# Altium PCB OctopusPB_r0102.PcbDoc (part 3 of 10)
Units mm, origin at the board's own origin, x right, y up, seen from the top; angles counter-clockwise.
Board outline 318 x 80 mm, 4 copper layers (Top Layer, Layer 1, Layer 2, Bottom Layer), stack 1.62 mm thick; 806 components, 346 nets, 2957 pads, 6733 vias.
Unrouted connection lines stored in the file: 1143.
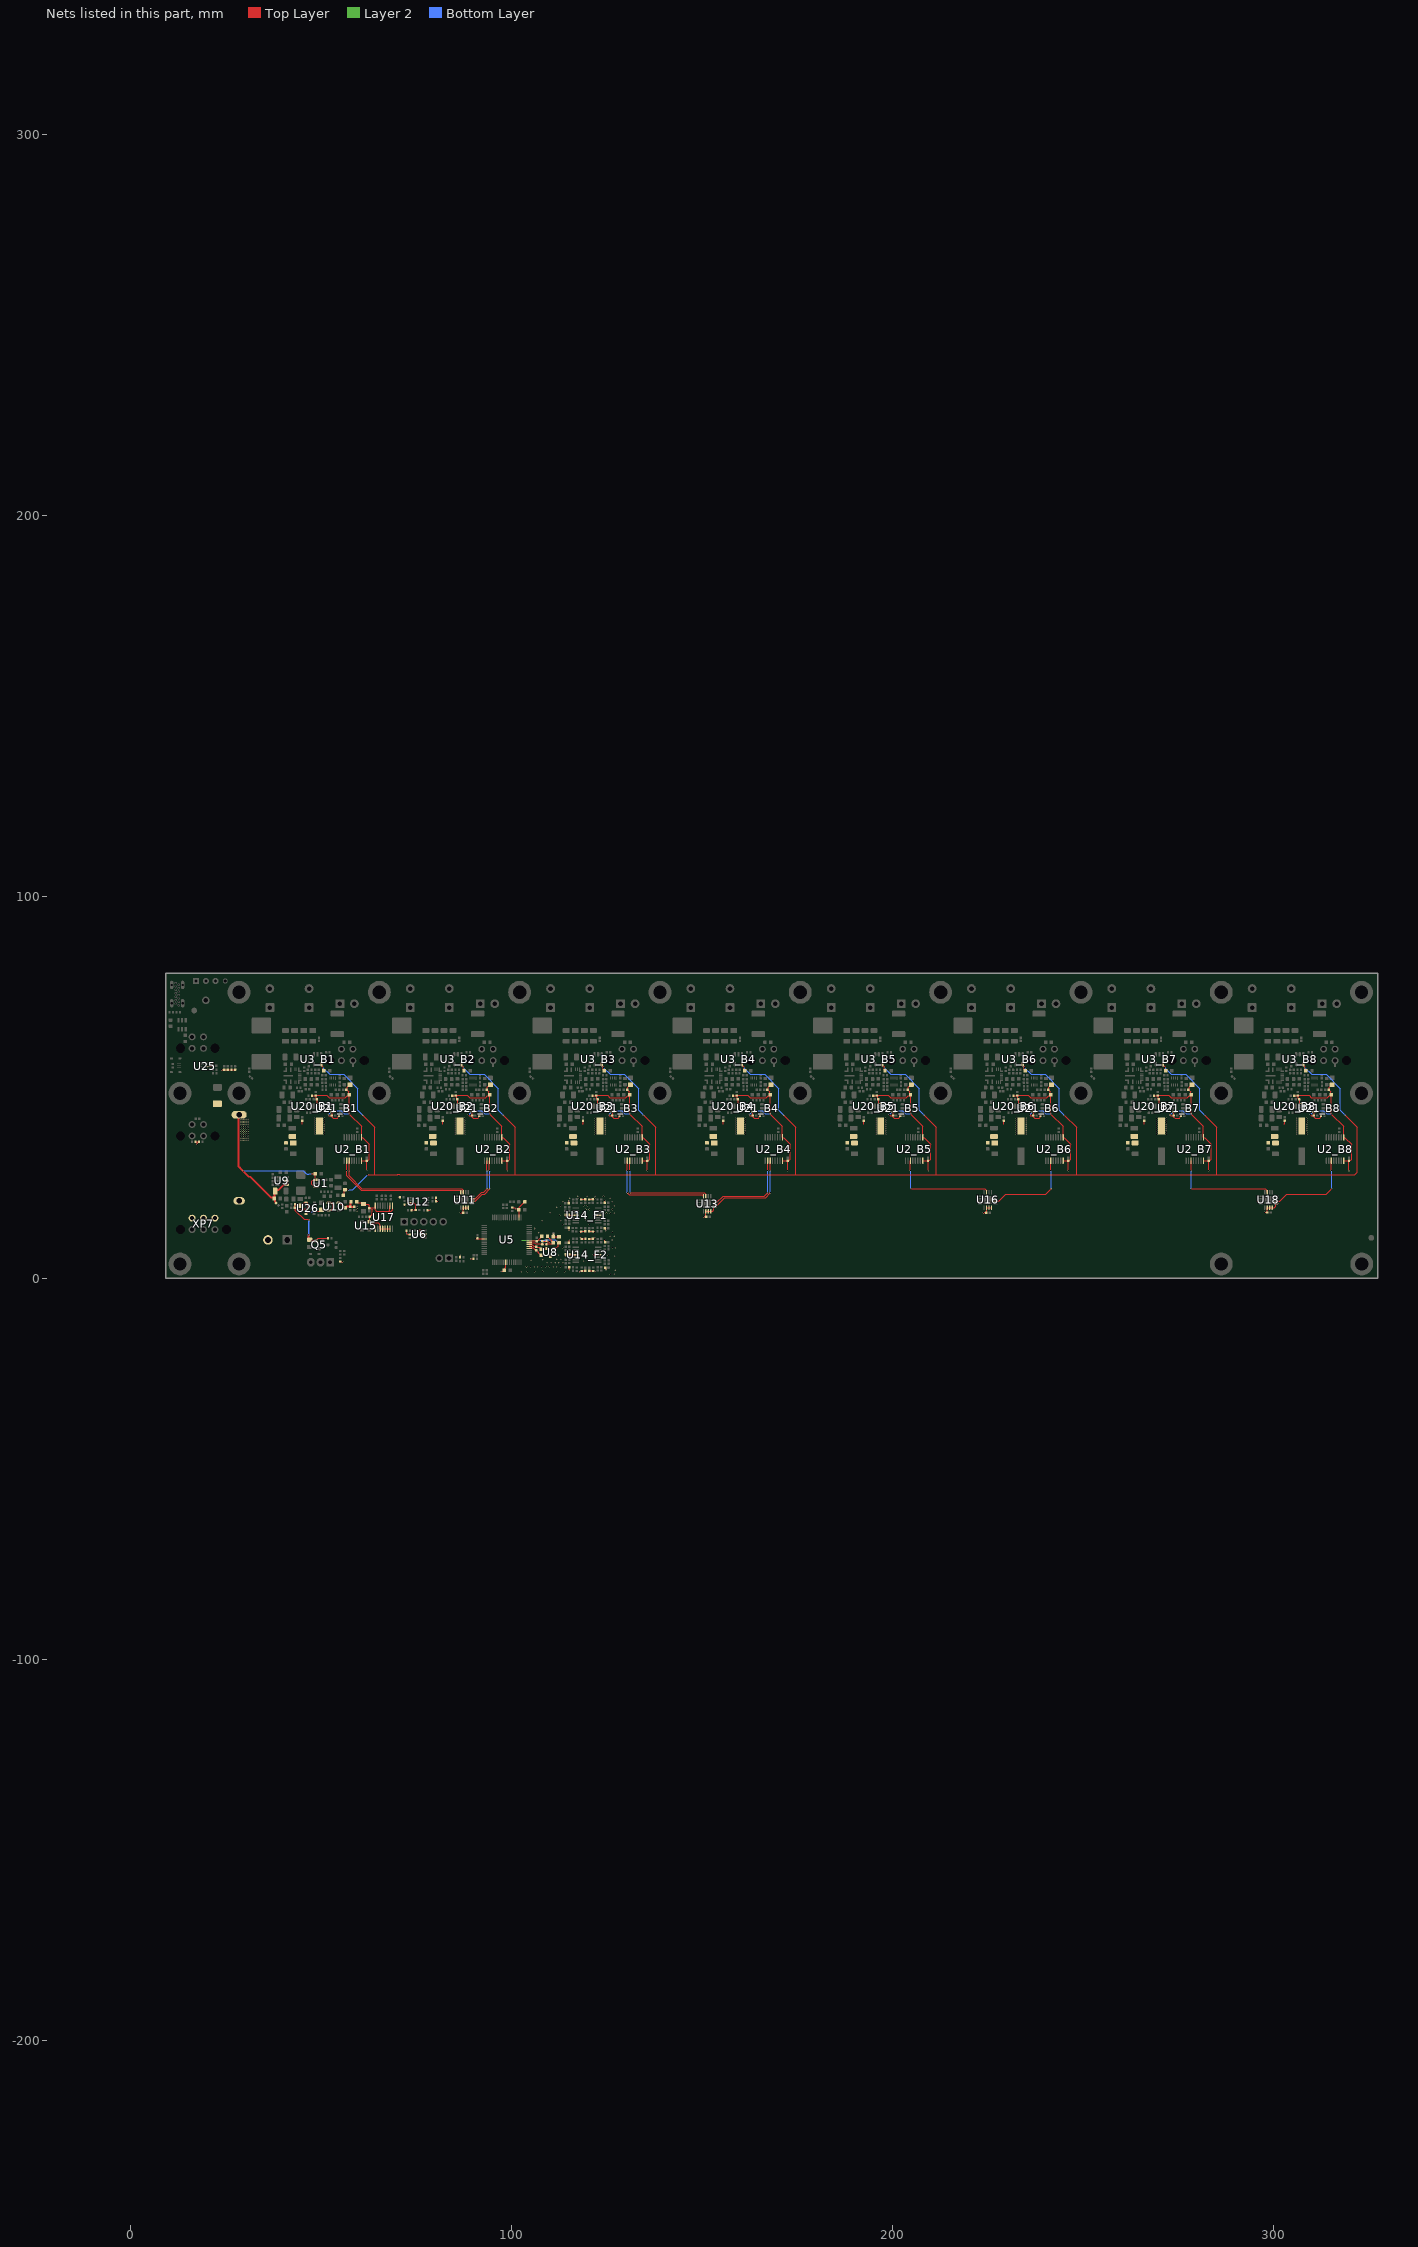
[diagram p5: the nets of this part, all layers, seen from the top]

## Part data (continued)
U19_B1 U19_B2 U19_B3 U19_B4 U19_B5 U19_B6 U19_B7 U19_B8: "Buck Switching Regulator IC Positive Adjustable 1V 1 Output 6A 14-VFQFN", Case=VQFN-HR-14, Manufacturer=TI, Manufacturer PN=LM61460AASQRJRRQ1, PartNumber=LM61460-Q1, Publisher=alexey.savchenko, Publishing Date=3/27/2020
U20_B1 U20_B2 U20_B3 U20_B4 U20_B5 U20_B6 U20_B7 U20_B8: "Temperature Sensor Digital, Local -20°C ~ 125°C 10 b 8-WDFN (2x3)", Case=WDFN-8, Manufacturer=Microchip, Manufacturer PN=AT30TSE002B-MAH-T, PartNumber=AT30TSE002B-MAH-T, Publisher=alexey.savchenko, Publishing Date=3/31/2020
U21_B1 U21_B2 U21_B3 U21_B4 U21_B5 U21_B6 U21_B7 U21_B8: "IC COMPARATOR 2.4V REF SOT-23-6", Case=SOT23-6, Manufacturer=Microchip, Manufacturer PN=MCP65R41T-2402E/CHY, PartNumber=MCP65R41T-2402E/CHY, Publisher=alexey.savchenko, Publishing Date=12/9/2020
U22 U26: "Power Switch/Driver 2:1 P-Channel 1.5A 6-WLCSP (0.96x1.66)", Case=WLCSP-6, Manufacturer="ON Semiconductor", Manufacturer PN=FPF1320UCX, PartNumber=FPF1320UCX, Publisher=alexey.savchenko, Publishing Date=4/10/2020
U25: "IC USB 2.0 SWITCH HS 10XQFN", Case=XQFN-10(SOT1049-3), Manufacturer=NXP, Analogs=PI3USB221AZUAEX, Manufacturer PN=NX3DV221GM,115, PartNumber=NX3DV221GM,115, Publisher=alexey.savchenko, Publishing Date=4/9/2020
XP1_B1 XP1_B2 XP1_B3 XP1_B4 XP1_B5 XP1_B6 XP1_B7 XP1_B8: "2 Position Terminal Block Header, Male Pins, Shrouded (4 Side) 0.150\" (3.81mm) 90°, Right Angle Through Hole", Manufacturer="Würth Elektronik", Manufacturer PN=691322310002+691361300002(Plug), PartNumber=TBH-2x3.81P-RA-GN, Publisher=alexey.savchenko, Publishing Date=2/14/2020
XP2_B1 XP2_B2 XP2_B3 XP2_B4 XP2_B5 XP2_B6 XP2_B7 XP2_B8 XP3 XP4: "Micro-Fit BMI Receptacle Header, Dual Row, Vertical, with Press-fit Plastic Pegs, 2.54µm Tin (Sn), 4 Circuits", Manufacturer=Molex, Analogs="0447690402, 0447690403", Manufacturer PN=0447690401, PartNumber=0447690401, Publisher=alexey.savchenko, Publishing Date=2/14/2020
XP5: "CONN USB TYPE-C TH UPRIGHT FLAG", Manufacturer=Kycon, Manufacturer PN=KUSBX-SL-CS1N14-B, PartNumber=KUSBX-SL-CS1N14-B, Publisher=alexey.savchenko, Publishing Date=4/17/2020
XP6: "TERM BLOCK HDR 2POS 90DEG 5.08MM, Green", Manufacturer="Phoenix Contact", Manufacturer PN=+1757019(Plug), PartNumber=TBH-2x5.08P-RA-GN, Publisher=alexey.savchenko, Publishing Date=2/14/2020
XP7: "Micro-Fit BMI Receptacle Header, Dual Row, Vertical, with Press-fit Plastic Pegs, 2.54µm Tin (Sn), 6 Circuits", Manufacturer=Molex, Analogs="0447690602, 0447690603", Manufacturer PN=0447690601, PartNumber=0447690601, Publisher=alexey.savchenko, Publishing Date=4/29/2020

## Free pads (board coordinates)
  round 1.1 on Mech8: 1(-12.299,-168.07) 1(-12.299,-167.07) 1(-12.299,-162.96) 1(-12.299,-161.46) 1(-3.659,-168.07) 1(-3.659,-167.07) 1(-3.659,-162.96) 1(-3.659,-161.46)
  round 2.41 on Mech8: 1(-12.078,-200.01) 1(-12.078,-183.01) 1(-3.078,-200.01) 1(-3.078,-183.01) 1(30.922,-183.01) 1(39.922,-183.01) 1(68.749,-183.01) 1(77.749,-183.01) 1(106.576,-183.01) 1(115.576,-183.01) 1(144.403,-183.01) 1(153.403,-183.01) 1(182.23,-183.01) 1(191.23,-183.01) 1(220.057,-183.01) 1(229.057,-183.01) 1(257.884,-183.01) 1(266.884,-183.01) 1(295.711,-183.01) 1(304.711,-183.01)
  round 1.8 on Mech8: 1(-12.078,-200.01) 1(-12.078,-183.01) 1(-9.078,-200.01) 1(-9.078,-197.01) 1(-9.078,-183.01) 1(-9.078,-180.01) 1(-6.078,-200.01) 1(-6.078,-197.01) 1(-6.078,-183.01) 1(-6.078,-180.01) 1(-3.078,-200.01) 1(-3.078,-183.01) 1(30.922,-183.01) 1(33.922,-183.01) 1(33.922,-180.01) 1(36.922,-183.01) 1(36.922,-180.01) 1(39.922,-183.01) 1(68.749,-183.01) 1(71.749,-183.01) 1(71.749,-180.01) 1(74.749,-183.01) 1(74.749,-180.01) 1(77.749,-183.01) 1(106.576,-183.01) 1(109.576,-183.01) 1(109.576,-180.01) 1(112.576,-183.01) 1(112.576,-180.01) 1(115.576,-183.01) 1(144.403,-183.01) 1(147.403,-183.01) 1(147.403,-180.01) 1(150.403,-183.01) 1(150.403,-180.01) 1(153.403,-183.01) 1(182.23,-183.01) 1(185.23,-183.01) 1(185.23,-180.01) 1(188.23,-183.01) 1(188.23,-180.01) 1(191.23,-183.01) 1(220.057,-183.01) 1(223.057,-183.01) 1(223.057,-180.01) 1(226.057,-183.01) 1(226.057,-180.01) 1(229.057,-183.01) 1(257.884,-183.01) 1(260.884,-183.01) 1(260.884,-180.01) 1(263.884,-183.01) 1(263.884,-180.01) 1(266.884,-183.01) 1(295.711,-183.01) 1(298.711,-183.01) 1(298.711,-180.01) 1(301.711,-183.01) 1(301.711,-180.01) 1(304.711,-183.01)
  round 1.02 on Mech8: 1(-9.078,-200.01) 1(-9.078,-197.01) 1(-9.078,-183.01) 1(-9.078,-180.01) 1(-6.078,-200.01) 1(-6.078,-197.01) 1(-6.078,-183.01) 1(-6.078,-180.01) 1(33.922,-183.01) 1(33.922,-180.01) 1(36.922,-183.01) 1(36.922,-180.01) 1(71.749,-183.01) 1(71.749,-180.01) 1(74.749,-183.01) 1(74.749,-180.01) 1(109.576,-183.01) 1(109.576,-180.01) 1(112.576,-183.01) 1(112.576,-180.01) 1(147.403,-183.01) 1(147.403,-180.01) 1(150.403,-183.01) 1(150.403,-180.01) 1(185.23,-183.01) 1(185.23,-180.01) 1(188.23,-183.01) 1(188.23,-180.01) 1(223.057,-183.01) 1(223.057,-180.01) 1(226.057,-183.01) 1(226.057,-180.01) 1(260.884,-183.01) 1(260.884,-180.01) 1(263.884,-183.01) 1(263.884,-180.01) 1(298.711,-183.01) 1(298.711,-180.01) 1(301.711,-183.01) 1(301.711,-180.01)
  round 0.2 on Mech8: 1(17.922,-162.61) 1(22.997,-162.835) 1(23.197,-195.285) 1(23.747,-198.385) 1(26.747,-199.81) 1(26.747,-199.21) 1(26.747,-198.61) 1(26.822,-200.41) 1(27.372,-200.585) 1(27.397,-197.785) 1(27.397,-197.235) 1(27.697,-190.035) 1(27.697,-189.435) 1(27.697,-188.835) 1(27.722,-191.66) 1(27.722,-191.035) 1(27.947,-188.31) 1(27.972,-200.585) 1(28.522,-188.185) 1(29.122,-188.185) 1(29.522,-201.035) 1(29.572,-198.31) 1(29.797,-200.585) 1(30.072,-201.01) 1(30.097,-198.31) 1(30.322,-200.56) 1(30.597,-200.985) 1(30.847,-200.56) 1(30.997,-191.41) 1(30.997,-190.81) 1(31.172,-188.185) 1(31.597,-190.81) 1(31.872,-188.185) 1(32.422,-190.935) 1(32.572,-188.21) 1(32.597,-190.06) 1(32.597,-189.46) 1(32.597,-188.86) 1(32.698,-192.708) 1(33.272,-214.51) 1(33.272,-213.985) 1(33.272,-213.46) 1(33.272,-209.71) 1(33.397,-192.71) 1(33.522,-199.435) 1(33.772,-188.485) 1(34.372,-198.685) 1(34.722,-190.935) 1(34.872,-198.685) 1(35.447,-184.86) 1(35.822,-214.56) 1(35.822,-214.035) 1(35.822,-213.535) 1(35.822,-209.76) 1(35.822,-209.235) 1(35.822,-208.685) 1(35.822,-208.16) 1(35.822,-207.635) 1(35.822,-207.11) 1(35.822,-206.61) 1(35.822,-206.085) 1(35.822,-205.585) 1(35.872,-189.985) 1(35.997,-204.26) 1(36.072,-200.285) 1(36.772,-194.11) 1(36.772,-193.535) 1(36.797,-194.635) 1(37.422,-197.16) 1(37.497,-191.235) 1(37.822,-184.16) 1(38.224,-189.657) 1(38.322,-195.06) 1(38.347,-203.21) 1(38.447,-184.96) 1(38.947,-189.51) 1(40.997,-194.635) 1(40.997,-192.685) 1(41.022,-197.01) 1(51.32,-195.185) 1(60.648,-192.708) 1(62.572,-191.585) 1(68.222,-195.26) 1(72.822,-231.185) 1(72.897,-239.085) 1(72.922,-235.985) 1(74.722,-233.935) 1(74.769,-233.082) 1(75.122,-238.335) 1(75.247,-239.085) 1(75.572,-235.185) 1(75.817,-238.67) 1(75.897,-231.735) 1(76.722,-227.51) 1(77.397,-230.36) 1(77.897,-239.16) 1(79.197,-229.085) 1(79.272,-230.385) 1(80.522,-223.96) 1(81.022,-228.06) 1(81.122,-232.885) 1(81.197,-239.16) 1(81.297,-235.535) 1(81.322,-237.31) 1(81.497,-230.435) 1(81.901,-235.484) 1(81.922,-236.085) 1(82.197,-239.16) 1(82.547,-227.035) 1(82.851,-236.659) 1(82.919,-235.493) 1(83.022,-229.91) 1(83.222,-239.16) 1(83.397,-223.985) 1(83.472,-236.66) 1(83.472,-232.81) 1(83.697,-226.435) 1(83.922,-235.785) 1(83.947,-231.135) 1(84.922,-226.76) 1(86.372,-223.36) 1(87.137,-229.315) 1(87.147,-229.985) 1(87.197,-231.735) 1(87.226,-231.135) 1(87.501,-230.559) 1(87.522,-226.96) 1(87.597,-232.185) 1(87.647,-239.11) 1(87.797,-225.16) 1(88.147,-226.91) 1(88.322,-232.535) 1(88.622,-228.11) 1(88.747,-236.71) 1(88.894,-232.953) 1(88.943,-238.758) 1(88.951,-235.372) 1(88.976,-237.635) 1(89.147,-195.185) 1(89.447,-226.585) 1(89.572,-230.785) 1(90.422,-225.21) 1(90.472,-233.835) 1(90.497,-236.61) 1(90.897,-232.185) 1(92.547,-239.11) 1(93.072,-234.635) 1(93.372,-226.285) 1(93.547,-239.135) 1(94.022,-225.16) 1(94.247,-232.285) 1(94.572,-233.785) 1(95.372,-232.885) 1(95.597,-236.485) 1(95.597,-230.785) 1(96.122,-226.285) 1(97.147,-232.835) 1(97.147,-225.16) 1(97.197,-229.01) 1(97.222,-239.135) 1(97.222,-236.785) 1(97.297,-238.535) 1(97.322,-237.56) 1(97.947,-227.26) 1(97.972,-228.26) 1(98.475,-192.708) 1(99.647,-227.81) 1(99.697,-231.035) 1(99.747,-239.135) 1(99.772,-235.135) 1(100.399,-191.585) 1(102.718,-47.5) 1(102.718,-46.975) 1(102.718,-46.45) 1(102.718,-45.925) 1(106.049,-195.26) 1(108,-46.4) 1(108,-45.875) 1(110.063,-51.155) 1(110.063,-50.63) 1(110.063,-50.105) 1(110.063,-49.58) 1(110.063,-49.055) 1(110.063,-48.53) 1(110.063,-48.005) 1(110.063,-47.48) 1(110.55,-48.55) 1(110.55,-48.025) 1(110.55,-47.475) 1(110.55,-46.95) 1(110.55,-46.425) 1(110.55,-45.9) 1(114.342,-45.76) 1(114.742,-46.185) 1(115.242,-46.21) 1(126.974,-195.185) 1(136.302,-192.708) 1(138.226,-191.585) 1(143.876,-195.26) 1(164.801,-195.185) 1(174.129,-192.708) 1(176.053,-191.585) 1(181.703,-195.26) 1(202.628,-195.185) 1(211.956,-192.708) 1(213.88,-191.585) 1(219.53,-195.26) 1(240.455,-195.185) 1(249.783,-192.708) 1(251.707,-191.585) 1(257.357,-195.26) 1(278.282,-195.185) 1(287.61,-192.708) 1(289.534,-191.585) 1(295.184,-195.26)
  round 0.4 on Mech8: 1(22.997,-162.835) 1(23.197,-195.285) 1(23.747,-198.385) 1(26.747,-199.81) 1(26.747,-199.21) 1(26.747,-198.61) 1(26.822,-200.41) 1(27.372,-200.585) 1(27.397,-197.785) 1(27.397,-197.235) 1(27.697,-190.035) 1(27.697,-189.435) 1(27.697,-188.835) 1(27.722,-191.66) 1(27.722,-191.035) 1(27.947,-188.31) 1(27.972,-200.585) 1(28.522,-188.185) 1(29.122,-188.185) 1(29.522,-201.035) 1(29.572,-198.31) 1(29.797,-200.585) 1(30.072,-201.01) 1(30.097,-198.31) 1(30.322,-200.56) 1(30.597,-200.985) 1(30.847,-200.56) 1(30.997,-191.41) 1(30.997,-190.81) 1(31.172,-188.185) 1(31.597,-190.81) 1(31.872,-188.185) 1(32.422,-190.935) 1(32.572,-188.21) 1(32.597,-190.06) 1(32.597,-189.46) 1(32.597,-188.86) 1(32.698,-192.708) 1(33.272,-214.51) 1(33.272,-213.985) 1(33.272,-213.46) 1(33.272,-209.71) 1(33.397,-192.71) 1(33.522,-199.435) 1(33.772,-188.485) 1(34.372,-198.685) 1(34.722,-190.935) 1(34.872,-198.685) 1(35.447,-184.86) 1(35.822,-214.56) 1(35.822,-214.035) 1(35.822,-213.535) 1(35.822,-209.76) 1(35.822,-209.235) 1(35.822,-208.685) 1(35.822,-208.16) 1(35.822,-207.635) 1(35.822,-207.11) 1(35.822,-206.61) 1(35.822,-206.085) 1(35.822,-205.585) 1(35.872,-189.985) 1(35.997,-204.26) 1(36.072,-200.285) 1(36.772,-194.11) 1(36.772,-193.535) 1(36.797,-194.635) 1(37.422,-197.16) 1(37.497,-191.235) 1(37.822,-184.16) 1(38.224,-189.657) 1(38.322,-195.06) 1(38.347,-203.21) 1(38.447,-184.96) 1(38.947,-189.51) 1(40.997,-194.635) 1(40.997,-192.685) 1(41.022,-197.01) 1(72.822,-231.185) 1(72.897,-239.085) 1(72.922,-235.985) 1(74.722,-233.935) 1(74.769,-233.082) 1(75.122,-238.335) 1(75.247,-239.085) 1(75.572,-235.185) 1(75.817,-238.67) 1(75.897,-231.735) 1(76.722,-227.51) 1(77.397,-230.36) 1(77.897,-239.16) 1(79.197,-229.085) 1(79.272,-230.385) 1(80.522,-223.96) 1(81.022,-228.06) 1(81.122,-232.885) 1(81.197,-239.16) 1(81.297,-235.535) 1(81.322,-237.31) 1(81.497,-230.435) 1(81.901,-235.484) 1(81.922,-236.085) 1(82.197,-239.16) 1(82.547,-227.035) 1(82.851,-236.659) 1(82.919,-235.493) 1(83.022,-229.91) 1(83.222,-239.16) 1(83.397,-223.985) 1(83.472,-236.66) 1(83.472,-232.81) 1(83.697,-226.435) 1(83.922,-235.785) 1(83.947,-231.135) 1(84.922,-226.76) 1(86.372,-223.36) 1(87.137,-229.315) 1(87.147,-229.985) 1(87.197,-231.735) 1(87.226,-231.135) 1(87.501,-230.559) 1(87.522,-226.96) 1(87.597,-232.185) 1(87.647,-239.11) 1(87.797,-225.16) 1(88.147,-226.91) 1(88.322,-232.535) 1(88.622,-228.11) 1(88.747,-236.71) 1(88.894,-232.953) 1(88.943,-238.758) 1(88.951,-235.372) 1(88.976,-237.635) 1(89.447,-226.585) 1(89.572,-230.785) 1(90.422,-225.21) 1(90.472,-233.835) 1(90.497,-236.61) 1(90.897,-232.185) 1(92.547,-239.11) 1(93.072,-234.635) 1(93.372,-226.285) 1(93.547,-239.135) 1(94.022,-225.16) 1(94.247,-232.285) 1(94.572,-233.785) 1(95.372,-232.885) 1(95.597,-236.485) 1(95.597,-230.785) 1(96.122,-226.285) 1(97.147,-232.835) 1(97.147,-225.16) 1(97.197,-229.01) 1(97.222,-239.135) 1(97.222,-236.785) 1(97.297,-238.535) 1(97.322,-237.56) 1(97.947,-227.26) 1(97.972,-228.26) 1(99.647,-227.81) 1(99.697,-231.035) 1(99.747,-239.135) 1(99.772,-235.135) 1(102.718,-47.5) 1(102.718,-46.975) 1(102.718,-46.45) 1(102.718,-45.925) 1(108,-46.4) 1(108,-45.875) 1(110.063,-51.155) 1(110.063,-50.63) 1(110.063,-50.105) 1(110.063,-49.58) 1(110.063,-49.055) 1(110.063,-48.53) 1(110.063,-48.005) 1(110.063,-47.48) 1(110.55,-48.55) 1(110.55,-48.025) 1(110.55,-47.475) 1(110.55,-46.95) 1(110.55,-46.425) 1(110.55,-45.9) 1(114.342,-45.76) 1(114.742,-46.185) 1(115.242,-46.21)
  round 1.2 on Mech8: 1(26.224,-168.121) 1(30.034,-168.121) 1(61.008,-224.451) 1(63.548,-224.451) 1(64.051,-168.121) 1(65.648,-231.051) 1(66.088,-224.451) 1(67.861,-168.121) 1(68.188,-231.051) 1(68.628,-224.451) 1(71.168,-224.451) 1(101.878,-168.121) 1(105.688,-168.121) 1(139.705,-168.121) 1(143.515,-168.121) 1(177.532,-168.121) 1(181.342,-168.121) 1(215.359,-168.121) 1(219.169,-168.121) 1(253.186,-168.121) 1(256.996,-168.121) 1(291.013,-168.121) 1(294.823,-168.121)
  round 2.3 on Mech8: 1(30.034,-168.121) 1(67.861,-168.121) 1(105.688,-168.121) 1(143.515,-168.121) 1(181.342,-168.121) 1(219.169,-168.121) 1(256.996,-168.121) 1(294.823,-168.121)
  round 0.711 on Mech8: 1(35.038,313.274) 1(35.138,311.774) 1(35.138,314.974) 1(40.138,307.774) 1(40.138,317.374) 1(40.238,309.874) 1(40.238,319.574) 1(41.738,317.374) 1(42.738,307.574) 1(42.738,309.774) 1(42.838,319.474) 1(283.838,257.774) 1(283.938,256.274) 1(283.938,259.474) 1(288.938,252.474) 1(288.938,261.874) 1(289.038,254.574) 1(289.038,264.074) 1(290.538,261.874) 1(291.538,252.274) 1(291.538,254.474) 1(291.638,263.974)
  round 1.27 on Mech8: 1(35.038,313.274) 1(35.138,311.774) 1(35.138,314.974) 1(40.138,307.774) 1(40.138,317.374) 1(40.238,309.874) 1(40.238,319.574) 1(41.738,317.374) 1(42.738,307.574) 1(42.738,309.774) 1(42.838,319.474) 1(283.838,257.774) 1(283.938,256.274) 1(283.938,259.474) 1(288.938,252.474) 1(288.938,261.874) 1(289.038,254.574) 1(289.038,264.074) 1(290.538,261.874) 1(291.538,252.274) 1(291.538,254.474) 1(291.638,263.974)
  round 1 on Mech8: 1(45.52,-208.531) 1(45.52,-207.331) 1(45.72,-202.731) 1(45.72,-201.431) 1(45.92,-206.131) 1(46.72,-205.131) 1(46.72,-203.931) 1(46.92,-200.131) 1(66.722,-204.635) 1(66.722,-204.635) 1(66.722,-204.635) 1(66.722,-203.135) 1(66.722,-203.135) 1(66.722,-203.135) 1(66.722,-201.635) 1(66.722,-201.635) 1(66.722,-201.635) 1(66.738,-204.635) 1(66.738,-203.135) 1(66.738,-201.635) 1(104.499,-204.635) 1(104.499,-204.635) 1(104.499,-203.135) 1(104.499,-203.135) 1(104.499,-201.635) 1(104.499,-201.635) 1(104.515,-204.635) 1(104.515,-203.135) 1(104.515,-201.635) 1(142.376,-204.635) 1(142.376,-204.635) 1(142.376,-203.135) 1(142.376,-203.135) 1(142.376,-201.635) 1(142.376,-201.635) 1(142.392,-204.635) 1(142.392,-203.135) 1(142.392,-201.635) 1(180.203,-204.635) 1(180.203,-204.635) 1(180.203,-203.135) 1(180.203,-203.135) 1(180.203,-201.635) 1(180.203,-201.635) 1(180.219,-204.635) 1(180.219,-203.135) 1(180.219,-201.635) 1(218.03,-204.635) 1(218.03,-204.635) 1(218.03,-203.135) 1(218.03,-203.135) 1(218.03,-201.635) 1(218.03,-201.635) 1(218.046,-204.635) 1(218.046,-203.135) 1(218.046,-201.635) 1(237.522,-231.15) 1(237.522,-228.61) 1(237.522,-226.07) 1(255.857,-204.635) 1(255.857,-204.635) 1(255.857,-203.135) 1(255.857,-203.135) 1(255.857,-201.635) 1(255.857,-201.635) 1(255.873,-204.635) 1(255.873,-203.135) 1(255.873,-201.635) 1(293.684,-204.635) 1(293.684,-204.635) 1(293.684,-203.135) 1(293.684,-203.135) 1(293.684,-201.635) 1(293.684,-201.635) 1(293.7,-204.635) 1(293.7,-203.135) 1(293.7,-201.635)
  round 1.5 on Mech8: 1(165.222,-222.71) 1(187.822,-222.71) 1(187.982,-230.01) 1(193.062,-230.01)
  round 2.5 on Mech8: 1(187.982,-230.01)
  round 1.4 on Mech8: 1(200.822,-226.31) 1(200.822,-224.41) 1(201.222,-229.96) 1(201.222,-228.06) 1(206.222,-229.96) 1(206.222,-228.06) 1(206.622,-226.31) 1(206.622,-224.41)
  round 1.7 on Mech8: 1(201.222,-232.51) 1(206.222,-232.51)

## Via types
v1: diameter 0.4, hole 0.2, Top Layer to Bottom Layer, tented both sides, 6713 vias
v2: diameter 0.5, hole 0.2, Top Layer to Bottom Layer, tented both sides, 20 vias

## Nets (pads, with @x,y where several pads share a name; then routed paths per layer and width w, separated by ;. In a path a pad name is that pad's centre, name@x,y a point inside that pad or via, vN(x,y) a via of type N, cw(c..) or ccw(c..) an arc to the next point about the centre after c; other vN are vias at no path point)
3V0_REF: C46.1 C47.1 U5.22 U8.2 | length 5.2
  Top Layer w0.3: U5.22@104.616,8.759 105.467,8.759 105.881,8.345 106.34,8.345 106.5,8.185 C47.1@106.5,8.165 106.575,8.09 107.26,8.09 107.775,7.575 C46.1@107.8,7.575 107.888,7.662 109.163,7.662 U8.2@109.25,7.75
3V3: C20_B1.1 C20_B2.1 C20_B3.1 C20_B4.1 C20_B5.1 C20_B6.1 C20_B7.1 C20_B8.1 C22_B1.1 C22_B2.1 C22_B3.1 C22_B4.1 C22_B5.1 C22_B6.1 C22_B7.1 C22_B8.1 C27_B1.1 C27_B2.1 C27_B3.1 C27_B4.1 C27_B5.1 C27_B6.1 C27_B7.1 C27_B8.1 C28_B1.1 C28_B2.1 C28_B3.1 C28_B4.1 C28_B5.1 C28_B6.1 C28_B7.1 C28_B8.1 C39.1 C40.1 C41.1 C42.1 C45.1 C50.1 C51.1 C57.1 C59.1 C60.1 C63.1 C64.1 C66.1 C74_B1.2 C74_B2.2 C74_B3.2 C74_B4.2 C74_B5.2 C74_B6.2 C74_B7.2 C74_B8.2 C83.1 D2.2 FB3.1 FB5.1 L3_B1.1 L3_B2.1 L3_B3.1 L3_B4.1 L3_B5.1 L3_B6.1 L3_B7.1 L3_B8.1 R7_B1.2 R7_B2.2 R7_B3.2 R7_B4.2 R7_B5.2 R7_B6.2 R7_B7.2 R7_B8.2 R8_B1.2 R8_B2.2 R8_B3.2 R8_B4.2 R8_B5.2 R8_B6.2 R8_B7.2 R8_B8.2 R27.2 R28.2 R29.1 R31.2 R32.2 R36.2 R42.1 R46.2 R47.2 R48.2 R49.2 R50.2 R51.2 R59_B1.2 R59_B2.2 R59_B3.2 R59_B4.2 R59_B5.2 R59_B6.2 R59_B7.2 R59_B8.2 R70.2 R106.2 R107.2 R108.2 R109.2 U2_B1.1 U2_B1.16 U2_B2.1 U2_B2.16 U2_B3.1 U2_B3.16 U2_B4.1 U2_B4.16 U2_B5.1 U2_B5.16 U2_B6.1 U2_B6.16 U2_B7.1 U2_B7.16 U2_B8.1 U2_B8.16 U5.8 U5.24 U5.34 U5.56 U6.5 U8.1 U10.5 U11.14 U11.15 U11.16 U12.3 U13.1 U13.14 U13.15 U13.16 U16.14 U16.15 U16.16 U18.1 U18.14 U18.15 U18.16 U20_B1.8 U20_B2.8 U20_B3.8 U20_B4.8 U20_B5.8 U20_B6.8 U20_B7.8 U20_B8.8 U21_B1.6 U21_B2.6 U21_B3.6 U21_B4.6 U21_B5.6 U21_B6.6 U21_B7.6 U21_B8.6 U25.10 | length 482.2
  Top Layer w0.2: R8_B1.2@47.63,47.85 47.64,47.86 48.565,47.86 R59_B1.2@48.575,47.87 ; v1(75.875,12.625) 75.925,12.575 75.925,12.303 76.353,11.875 76.375,11.875 76.725,11.525 U6.5@77.025,11.525 ; R8_B2.2@84.455,47.85 84.465,47.86 85.39,47.86 R59_B2.2@85.4,47.87 ; C41.1@97.925,2.2 97.936,2.2 98.211,2.475 98.211,2.564 98.474,2.827 98.474,2.877 98.491,2.894 U5.8@98.491,4.109 ; C41.1@98.15,2.1 C41.1@98.175,2.075 ; U5.24@104.616,9.759 104.623,9.766 106.39,9.766 106.395,9.761 C42.1@106.395,9.74 ; C42.1@106.41,9.6 106.375,9.635 C42.1@106.49,9.75 ; R8_B3.2@121.28,47.85 121.29,47.86 122.215,47.86 R59_B3.2@122.225,47.87 ; R8_B4.2@158.105,47.85 158.115,47.86 159.04,47.86 R59_B4.2@159.05,47.87 ; R8_B5.2@194.93,47.85 194.94,47.86 195.865,47.86 R59_B5.2@195.875,47.87 ; R8_B6.2@231.755,47.85 231.765,47.86 232.69,47.86 R59_B6.2@232.7,47.87 ; R8_B7.2@268.58,47.85 268.59,47.86 269.515,47.86 R59_B7.2@269.525,47.87 ; R8_B8.2@305.405,47.85 305.415,47.86 306.34,47.86 R59_B8.2@306.35,47.87
  Top Layer w0.3: R28.2@17.08,35.725 17.538,35.725 ; v1(17.55,35.075) 17.538,35.087 17.538,35.725 ; R27.2@17.995,35.725 17.538,35.725 ; U25.10@20.51,55.575 21.515,55.575 21.625,55.685 21.625,56.3 v1(21.6,56.325) ; v1(23.9,54.7) 23.925,54.675 R106.2@24.6,54.675 R107.2@25.55,54.675 R108.2@26.5,54.675 R109.2@27.425,54.675 ; R59_B1.2@48.575,47.87 R59_B1.2@48.607,47.87 ; C74_B1.2@48.91,46.875 48.903,46.875 48.743,47.035 48.743,47.735 R59_B1.2@48.607,47.87 ; C74_B1.2@48.996,46.941 48.996,46.769 49.033,46.732 49.033,45.825 U20_B1.8@49.155,45.825 ; v1(51.85,42.85) 51.85,42.83 52.03,42.65 C22_B1.1@52.81,42.65 ; U21_B1.6@52.95,43.65 52.88,43.58 52.88,42.72 C22_B1.1@52.81,42.65 ; R7_B1.2@54.695,42.625 54.56,42.49 54.56,42.16 54.375,41.975 53.175,41.975 52.9,42.25 52.9,42.56 C22_B1.1@52.81,42.65 ; R70.2@55.1,4.345 55.12,4.325 v1(55.675,4.325) ; C28_B1.1@56.665,49.4 C28_B1.1@56.685,49.4 ; C27_B1.1@57.362,48.162 57.25,48.275 57.25,48.835 C28_B1.1@56.685,49.4 ; v1@57.4,43 60.625,39.775 U2_B1.1@60.625,36.9 60.625,36.898 60.648,36.875 60.95,36.875 62.66,35.165 62.66,31.176 62.399,30.915 62.16,30.915 62,30.755 C20_B1.1@62,30.735 ; v1(57.4,43.1) C27_B1.1@57.4,48.1 ; C27_B1.1@57.4,48.125 C27_B1.1@57.4,48.1 ; L3_B1.1@57.6,50.724 57.55,50.724 56.845,50.019 56.845,49.56 C28_B1.1@56.685,49.4 ; U2_B1.16@60.625,30.8 60.625,30.758 60.648,30.735 C20_B1.1@62,30.735 ; v1(62,28.3) C20_B1.1@62,30.735 ; v1(70.2,21.2) 70.67,21.2 R50.2@70.72,21.15 ; R51.2@71.9,19.32 71.975,19.245 v1(71.975,18.8) ; R32.2@72.42,12.45 72.475,12.395 72.475,11.7 72.525,11.65 v1(72.525,11.575) 72.544,11.556 73.224,11.556 R31.2@73.325,11.455 ; U12.3@73.25,19.75 74.375,19.75 74.869,19.256 C63.1@74.869,17.859 74.772,17.956 74.741,17.925 v1(74.25,17.925) 74.231,17.906 73.786,17.906 R47.2@73.73,17.85 ; R46.2@77.955,17.85 77.98,17.825 78.55,17.825 v1(78.6,17.875) ; R48.2@80.13,21.075 R49.2@80.13,20.15 v1(80.8,20.15) ; R59_B2.2@85.4,47.87 R59_B2.2@85.433,47.87 ; C74_B2.2@85.735,46.875 85.728,46.875 85.568,47.035 85.568,47.735 R59_B2.2@85.433,47.87 ; C74_B2.2@85.821,46.941 85.821,46.769 85.858,46.732 85.858,45.825 U20_B2.8@85.98,45.825 ; v1(86.475,6) 86.525,5.95 86.525,5.465 R42.1@86.485,5.425 ; v1(86.575,17.125) C57.1@87.31,17.125 ; C57.1@87.342,17.158 U11.14@87.342,18.493 ; U11.14@87.35,18.5 U11.15@88,18.5 U11.16@88.65,18.5 ; v1(88.675,42.85) 88.675,42.83 88.855,42.65 C22_B2.1@89.635,42.65 ; v1(89.35,5.025) R36.2@90.02,5.025 ; U21_B2.6@89.775,43.65 89.705,43.58 89.705,42.72 C22_B2.1@89.635,42.65 ; v1(90.55,10.3) 90.94,10.3 C39.1@91.05,10.41 91.201,10.259 U5.56@92.816,10.259 ; R7_B2.2@91.52,42.625 91.385,42.49 91.385,42.16 91.2,41.975 90,41.975 89.725,42.25 89.725,42.56 C22_B2.1@89.635,42.65 ; C28_B2.1@93.49,49.4 C28_B2.1@93.51,49.4 ; C27_B2.1@94.187,48.162 94.075,48.275 94.075,48.835 C28_B2.1@93.51,49.4 ; v1@94.225,43 97.45,39.775 U2_B2.1@97.45,36.9 97.45,36.898 97.473,36.875 97.775,36.875 99.485,35.165 99.485,31.176 99.224,30.915 98.985,30.915 98.825,30.755 C20_B2.1@98.825,30.735 ; v1(94.225,43.1) C27_B2.1@94.225,48.1 ; C27_B2.1@94.225,48.125 C27_B2.1@94.225,48.1 ; L3_B2.1@94.425,50.724 94.375,50.724 93.67,50.019 93.67,49.56 C28_B2.1@93.51,49.4 ; v1(97.35,1.825) 97.369,1.844 97.894,1.844 C41.1@98.05,2 ; U2_B2.16@97.45,30.8 97.45,30.758 97.473,30.735 C20_B2.1@98.825,30.735 ; v1@98.825,28.3 C20_B2.1@98.825,30.735 ; R29.1@100.375,18.475 100.8,18.475 v1(101.125,18.15) 101.144,18.131 101.619,18.131 C40.1@101.85,17.9 102.075,18.125 102.075,18.625 102.4,18.95 102.475,18.95 D2.2@103.5,19.975 ; U5.34@101.966,15.909 C40.1@101.966,17.684 ; C42.1@106.6,9.71 106.6,9.73 106.76,9.89 106.999,9.89 107.292,10.183 ; v1(107.325,9.975) 107.306,9.994 107.306,10.169 107.292,10.183 ; FB3.1@107.927,11 107.627,10.7 107.627,10.518 107.292,10.183 ; U8.1@111.15,7.75 111.15,7.773 111.396,8.019 111.869,8.019 112.2,8.35 112.2,9 C45.1@112.45,9.25 C45.1@112.462,9.263 ; v1(111.925,9.675) 112.225,9.675 112.7,9.2 C45.1@112.763,9.263 ; R59_B3.2@122.225,47.87 R59_B3.2@122.258,47.87 ; C74_B3.2@122.56,46.875 122.553,46.875 122.393,47.035 122.393,47.735 R59_B3.2@122.258,47.87 ; C74_B3.2@122.646,46.941 122.646,46.769 122.683,46.732 122.683,45.825 U20_B3.8@122.805,45.825 ; v1(125.5,42.85) 125.5,42.83 125.68,42.65 C22_B3.1@126.46,42.65 ; U21_B3.6@126.6,43.65 126.53,43.58 126.53,42.72 C22_B3.1@126.46,42.65 ; R7_B3.2@128.345,42.625 128.21,42.49 128.21,42.16 128.025,41.975 126.825,41.975 126.55,42.25 126.55,42.56 C22_B3.1@126.46,42.65 ; C28_B3.1@130.315,49.4 C28_B3.1@130.335,49.4 ; C27_B3.1@131.012,48.162 130.9,48.275 130.9,48.835 C28_B3.1@130.335,49.4 ; v1@131.05,43 134.275,39.775 U2_B3.1@134.275,36.9 134.275,36.898 134.298,36.875 134.6,36.875 136.31,35.165 136.31,31.176 136.049,30.915 135.81,30.915 135.65,30.755 C20_B3.1@135.65,30.735 ; v1(131.05,43.1) C27_B3.1@131.05,48.1 ; C27_B3.1@131.05,48.125 C27_B3.1@131.05,48.1 ; L3_B3.1@131.25,50.724 131.2,50.724 130.495,50.019 130.495,49.56 C28_B3.1@130.335,49.4 ; U2_B3.16@134.275,30.8 134.275,30.758 134.298,30.735 C20_B3.1@135.65,30.735 ; v1@135.65,28.3 C20_B3.1@135.65,30.735 ; v1(150.4,16.125) C59.1@151.1,16.125 ; C59.1@151.125,16.1 C59.1@151.1,16.125 ; U13.1@153.325,18.525 153.098,18.525 153.075,18.502 153.075,17.9 152.75,17.575 152.323,17.575 152.3,17.552 U13.16@152.3,17.5 U13.15@151.65,17.5 151.019,17.5 151.01,17.49 151.01,16.215 C59.1@151.1,16.125 ; R59_B4.2@159.05,47.87 R59_B4.2@159.083,47.87 ; C74_B4.2@159.385,46.875 159.378,46.875 159.218,47.035 159.218,47.735 R59_B4.2@159.083,47.87 ; C74_B4.2@159.471,46.941 159.471,46.769 159.508,46.732 159.508,45.825 U20_B4.8@159.63,45.825 ; v1(162.325,42.85) 162.325,42.83 162.505,42.65 C22_B4.1@163.285,42.65 ; U21_B4.6@163.425,43.65 163.355,43.58 163.355,42.72 C22_B4.1@163.285,42.65 ; R7_B4.2@165.17,42.625 165.035,42.49 165.035,42.16 164.85,41.975 163.65,41.975 163.375,42.25 163.375,42.56 C22_B4.1@163.285,42.65 ; C28_B4.1@167.14,49.4 C28_B4.1@167.16,49.4 ; C27_B4.1@167.838,48.162 167.725,48.275 167.725,48.835 C28_B4.1@167.16,49.4 ; v1@167.875,43 171.1,39.775 U2_B4.1@171.1,36.9 171.1,36.898 171.123,36.875 171.425,36.875 173.135,35.165 173.135,31.176 172.874,30.915 172.635,30.915 172.475,30.755 C20_B4.1@172.475,30.735 ; v1(167.875,43.1) C27_B4.1@167.875,48.1 ; C27_B4.1@167.875,48.125 C27_B4.1@167.875,48.1 ; L3_B4.1@168.075,50.724 168.025,50.724 167.32,50.019 167.32,49.56 C28_B4.1@167.16,49.4 ; U2_B4.16@171.1,30.8 171.1,30.758 171.123,30.735 C20_B4.1@172.475,30.735 ; v1@172.475,28.3 C20_B4.1@172.475,30.735 ; R59_B5.2@195.875,47.87 R59_B5.2@195.908,47.87 ; C74_B5.2@196.21,46.875 196.203,46.875 196.043,47.035 196.043,47.735 R59_B5.2@195.908,47.87 ; C74_B5.2@196.296,46.941 196.296,46.769 196.333,46.732 196.333,45.825 U20_B5.8@196.455,45.825 ; v1(199.15,42.85) 199.15,42.83 199.33,42.65 C22_B5.1@200.11,42.65 ; U21_B5.6@200.25,43.65 200.18,43.58 200.18,42.72 C22_B5.1@200.11,42.65 ; R7_B5.2@201.995,42.625 201.86,42.49 201.86,42.16 201.675,41.975 200.475,41.975 200.2,42.25 200.2,42.56 C22_B5.1@200.11,42.65 ; C28_B5.1@203.965,49.4 C28_B5.1@203.985,49.4 ; C27_B5.1@204.663,48.162 204.55,48.275 204.55,48.835 C28_B5.1@203.985,49.4 ; v1@204.7,43 207.925,39.775 U2_B5.1@207.925,36.9 207.925,36.898 207.948,36.875 208.25,36.875 209.96,35.165 209.96,31.176 209.699,30.915 209.46,30.915 209.3,30.755 C20_B5.1@209.3,30.735 ; v1(204.7,43.1) C27_B5.1@204.7,48.1 ; C27_B5.1@204.7,48.125 C27_B5.1@204.7,48.1 ; L3_B5.1@204.9,50.724 204.85,50.724 204.145,50.019 204.145,49.56 C28_B5.1@203.985,49.4 ; U2_B5.16@207.925,30.8 207.925,30.758 207.948,30.735 C20_B5.1@209.3,30.735 ; v1@209.3,28.3 C20_B5.1@209.3,30.735 ; v1(223.825,17.175) 223.844,17.194 224.019,17.194 224.025,17.2 224.585,17.2 C64.1@224.635,17.15 224.642,17.157 224.642,18.493 U16.14@224.65,18.5 U16.15@225.3,18.5 U16.16@225.95,18.5 ; R59_B6.2@232.7,47.87 R59_B6.2@232.733,47.87 ; C74_B6.2@233.035,46.875 233.028,46.875 232.868,47.035 232.868,47.735 R59_B6.2@232.733,47.87 ; C74_B6.2@233.121,46.941 233.121,46.769 233.158,46.732 233.158,45.825 U20_B6.8@233.28,45.825 ; v1(235.975,42.85) 235.975,42.83 236.155,42.65 C22_B6.1@236.935,42.65 ; U21_B6.6@237.075,43.65 237.005,43.58 237.005,42.72 C22_B6.1@236.935,42.65 ; R7_B6.2@238.82,42.625 238.685,42.49 238.685,42.16 238.5,41.975 237.3,41.975 237.025,42.25 237.025,42.56 C22_B6.1@236.935,42.65 ; C28_B6.1@240.79,49.4 C28_B6.1@240.81,49.4 ; C27_B6.1@241.488,48.162 241.375,48.275 241.375,48.835 C28_B6.1@240.81,49.4 ; v1@241.525,43 244.75,39.775 U2_B6.1@244.75,36.9 244.75,36.898 244.773,36.875 245.075,36.875 246.785,35.165 246.785,31.176 246.524,30.915 246.285,30.915 246.125,30.755 C20_B6.1@246.125,30.735 ; v1(241.525,43.1) C27_B6.1@241.525,48.1 ; C27_B6.1@241.525,48.125 C27_B6.1@241.525,48.1 ; L3_B6.1@241.725,50.724 241.675,50.724 240.97,50.019 240.97,49.56 C28_B6.1@240.81,49.4 ; U2_B6.16@244.75,30.8 244.75,30.758 244.773,30.735 C20_B6.1@246.125,30.735 ; v1@246.125,28.3 C20_B6.1@246.125,30.735 ; R59_B7.2@269.525,47.87 R59_B7.2@269.558,47.87 ; C74_B7.2@269.86,46.875 269.853,46.875 269.693,47.035 269.693,47.735 R59_B7.2@269.558,47.87 ; C74_B7.2@269.946,46.941 269.946,46.769 269.983,46.732 269.983,45.825 U20_B7.8@270.105,45.825 ; v1(272.8,42.85) 272.8,42.83 272.98,42.65 C22_B7.1@273.76,42.65 ; U21_B7.6@273.9,43.65 273.83,43.58 273.83,42.72 C22_B7.1@273.76,42.65 ; R7_B7.2@275.645,42.625 275.51,42.49 275.51,42.16 275.325,41.975 274.125,41.975 273.85,42.25 273.85,42.56 C22_B7.1@273.76,42.65 ; C28_B7.1@277.615,49.4 C28_B7.1@277.635,49.4 ; C27_B7.1@278.313,48.162 278.2,48.275 278.2,48.835 C28_B7.1@277.635,49.4 ; v1@278.35,43 281.575,39.775 U2_B7.1@281.575,36.9 281.575,36.898 281.598,36.875 281.9,36.875 283.61,35.165 283.61,31.176 283.349,30.915 283.11,30.915 282.95,30.755 C20_B7.1@282.95,30.735 ; v1(278.35,43.1) C27_B7.1@278.35,48.1 ; C27_B7.1@278.35,48.125 C27_B7.1@278.35,48.1 ; L3_B7.1@278.55,50.724 278.5,50.724 277.795,50.019 277.795,49.56 C28_B7.1@277.635,49.4 ; U2_B7.16@281.575,30.8 281.575,30.758 281.598,30.735 C20_B7.1@282.95,30.735 ; v1@282.95,28.3 C20_B7.1@282.95,30.735 ; v1(297.625,17.25) 298.31,17.25 C66.1@298.36,17.2 ; C66.1@298.31,17.25 298.31,18.49 U18.14@298.3,18.5 U18.15@298.95,18.5 U18.16@299.6,18.5 300.1,18.5 300.5,18.9 300.5,19.502 300.523,19.525 U18.1@300.625,19.525 ; R59_B8.2@306.35,47.87 R59_B8.2@306.383,47.87 ; C74_B8.2@306.685,46.875 306.678,46.875 306.518,47.035 306.518,47.735 R59_B8.2@306.383,47.87 ; C74_B8.2@306.771,46.941 306.771,46.769 306.808,46.732 306.808,45.825 U20_B8.8@306.93,45.825 ; v1(309.625,42.85) 309.625,42.83 309.805,42.65 C22_B8.1@310.585,42.65 ; U21_B8.6@310.725,43.65 310.655,43.58 310.655,42.72 C22_B8.1@310.585,42.65 ; R7_B8.2@312.47,42.625 312.335,42.49 312.335,42.16 312.15,41.975 310.95,41.975 310.675,42.25 310.675,42.56 C22_B8.1@310.585,42.65 ; C28_B8.1@314.44,49.4 C28_B8.1@314.46,49.4 ; C27_B8.1@315.138,48.162 315.025,48.275 315.025,48.835 C28_B8.1@314.46,49.4 ; v1@315.175,43 318.4,39.775 U2_B8.1@318.4,36.9 318.4,36.898 318.423,36.875 318.725,36.875 320.435,35.165 320.435,31.176 320.174,30.915 319.935,30.915 319.775,30.755 C20_B8.1@319.775,30.735 ; v1(315.175,43.1) C27_B8.1@315.175,48.1 ; C27_B8.1@315.175,48.125 C27_B8.1@315.175,48.1 ; L3_B8.1@315.375,50.724 315.325,50.724 314.62,50.019 314.62,49.56 C28_B8.1@314.46,49.4 ; U2_B8.16@318.4,30.8 318.4,30.758 318.423,30.735 C20_B8.1@319.775,30.735 ; v1@319.775,28.3 C20_B8.1@319.775,30.735 ; R59_B1.2@48.607,47.87 48.663,47.925 51.533,47.925 52.158,47.3 52.55,47.3 56.342,47.3 56.842,47.8 57.1,47.8 C27_B1.1@57.4,48.1 ; R59_B2.2@85.433,47.87 85.488,47.925 88.358,47.925 88.983,47.3 89.375,47.3 93.167,47.3 93.667,47.8 93.925,47.8 C27_B2.1@94.225,48.1 ; R59_B3.2@122.258,47.87 122.313,47.925 125.183,47.925 125.808,47.3 126.2,47.3 129.992,47.3 130.492,47.8 130.75,47.8 C27_B3.1@131.05,48.1 ; R59_B4.2@159.083,47.87 159.138,47.925 162.008,47.925 162.633,47.3 163.025,47.3 166.817,47.3 167.317,47.8 167.575,47.8 C27_B4.1@167.875,48.1 ; R59_B5.2@195.908,47.87 195.963,47.925 198.833,47.925 199.458,47.3 199.85,47.3 203.642,47.3 204.142,47.8 204.4,47.8 C27_B5.1@204.7,48.1 ; R59_B6.2@232.733,47.87 232.788,47.925 235.658,47.925 236.283,47.3 236.675,47.3 240.467,47.3 240.967,47.8 241.225,47.8 C27_B6.1@241.525,48.1 ; R59_B7.2@269.558,47.87 269.613,47.925 272.483,47.925 273.108,47.3 273.5,47.3 277.292,47.3 277.792,47.8 278.05,47.8 C27_B7.1@278.35,48.1 ; R59_B8.2@306.383,47.87 306.438,47.925 309.308,47.925 309.933,47.3 310.325,47.3 314.117,47.3 314.617,47.8 314.875,47.8 C27_B8.1@315.175,48.1